# KiCad board edc-mux-board-fpga-main.kicad_pcb (continued)
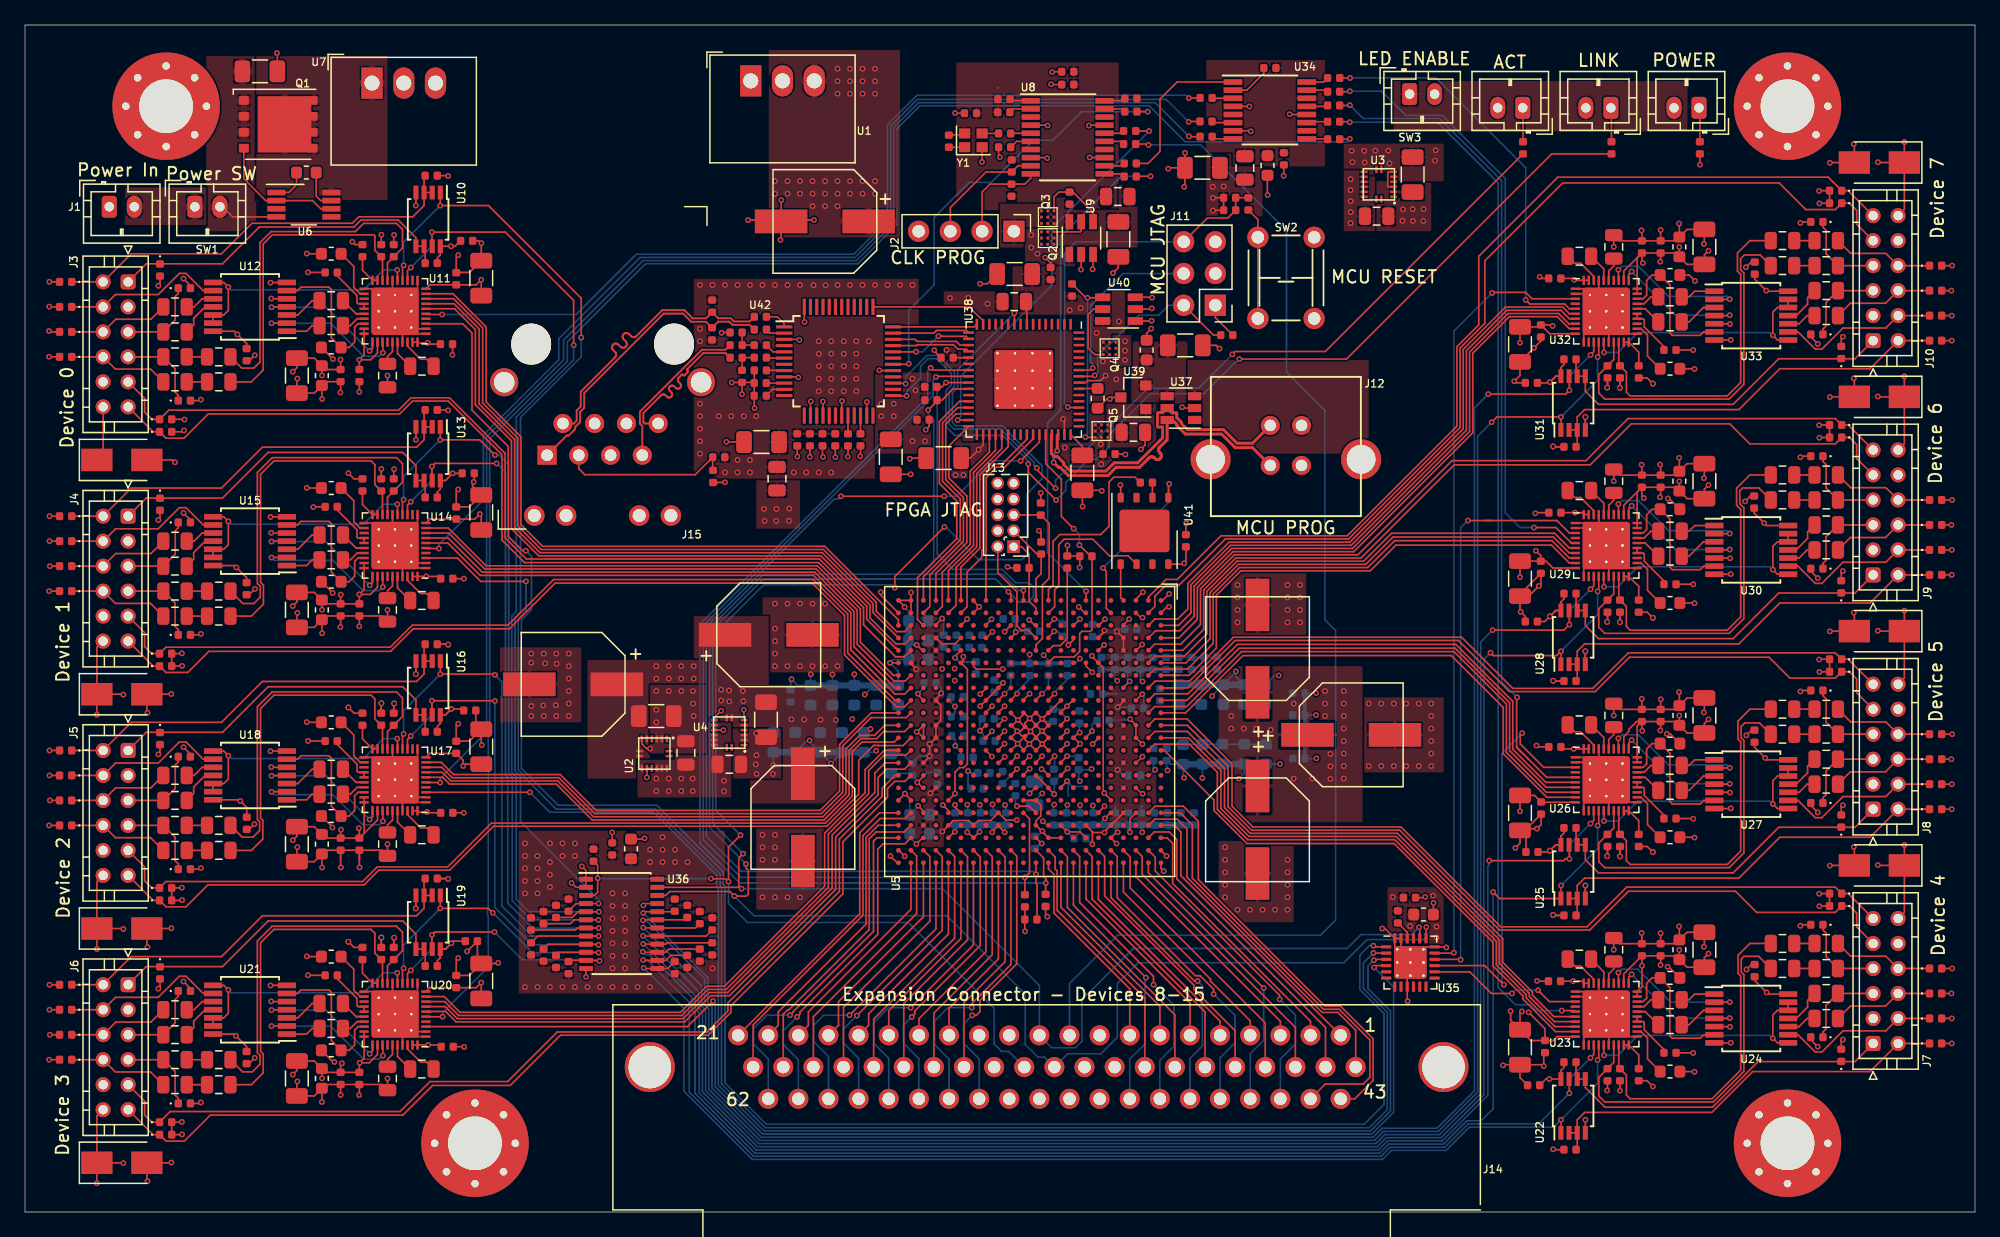
[diagram p0: board, top side]
## Footprints (pads in the part's own frame, mm; a bottom-side part is the same pattern mirrored in y, then rotated) (continued)
UJ2-BV-1-TH
  round 1.52 hole 0.92: 1(1.25,1.6) 2(-1.25,1.6) 3(-1.25,-1.6) 4(1.25,-1.6)
  round 3.2 hole 2.3: 5(-6.02,-1.11) 5(6.02,-1.11)
UQFN-40-1EP_5x5mm_P0.4mm_EP3.8x3.8mm_ThermalVias
  custom 0.484x0.484 smd: (-1.6,1.6) (-1.6,-1.6) (1.6,1.6) (1.6,-1.6)
  custom 0.484x1.048 smd: (-1.6,0.65) (-1.6,-0.65) (1.6,0.65) (1.6,-0.65)
  custom 1.048x0.484 smd: (-0.65,1.6) (-0.65,-1.6) (0.65,1.6) (0.65,-1.6)
  rrect 1.048x1.048 smd: (-0.65,0.65) (-0.65,-0.65) (0.65,0.65) (0.65,-0.65)
  rrect 0.75x0.2 smd: 1(-2.475,1.8) 2(-2.475,1.4) 3(-2.475,1) 4(-2.475,0.6) 5(-2.475,0.2) 6(-2.475,-0.2) 7(-2.475,-0.6) 8(-2.475,-1) 9(-2.475,-1.4) 10(-2.475,-1.8) 21(2.475,-1.8) 22(2.475,-1.4) 23(2.475,-1) 24(2.475,-0.6) 25(2.475,-0.2) 26(2.475,0.2) 27(2.475,0.6) 28(2.475,1) 29(2.475,1.4) 30(2.475,1.8)
  rrect 0.2x0.75 smd: 11(-1.8,-2.475) 12(-1.4,-2.475) 13(-1,-2.475) 14(-0.6,-2.475) 15(-0.2,-2.475) 16(0.2,-2.475) 17(0.6,-2.475) 18(1,-2.475) 19(1.4,-2.475) 20(1.8,-2.475) 31(1.8,2.475) 32(1.4,2.475) 33(1,2.475) 34(0.6,2.475) 35(0.2,2.475) 36(-0.2,2.475) 37(-0.6,2.475) 38(-1,2.475) 39(-1.4,2.475) 40(-1.8,2.475)
  round 0.5 hole 0.2: 41(-1.3,1.3) 41(-1.3,0) 41(-1.3,-1.3) 41(0,1.3) 41(0,0) 41(0,-1.3) 41(1.3,1.3) 41(1.3,0) 41(1.3,-1.3)
  rrect 3.1x3.1 smd far side: 41(0,0)
  rrect 3.8x3.8 smd: 41(0,0)
VSSOP-8_3.0x3.0mm_P0.65mm
  rect 1.45x0.45 smd: 1(-2.2,0.975) 2(-2.2,0.325) 3(-2.2,-0.325) 4(-2.2,-0.975) 5(2.2,-0.975) 6(2.2,-0.325) 7(2.2,0.325) 8(2.2,0.975)
WSON-8-1EP_6x5mm_P1.27mm_EP3.4x4mm
  rrect 1.37x1.61 smd: (-0.85,1) (-0.85,-1) (0.85,1) (0.85,-1)
  rrect 0.775x0.5 smd: 1(-2.663,1.905) 2(-2.663,0.635) 3(-2.663,-0.635) 4(-2.663,-1.905) 5(2.663,-1.905) 6(2.663,-0.635) 7(2.663,0.635) 8(2.663,1.905)
  rrect 3.4x4 smd: 9(0,0)

## Nets
+1V2: C6.1 C7.1 C8.1 C9.1 C12.1 C15.1 C18.1 C21.1 C24.1 C27.1 C30.1 C34.1 C37.1 C39.1 C42.1 C45.1 C48.1 C50.1 C53.1 C55.1 C57.1 C60.1 C62.1 C63.1 C65.1 C67.1 C69.1 C71.1 C73.1 C75.1 C77.1 C80.1 C82.1 C83.1 C85.1 C87.1 C89.1 C91.1 C93.1 C95.1 C96.1 C97.1 C98.1 C99.1 C100.1 C101.1 C102.1 C103.1 C104.1 C105.1 C106.1 C108.1 C109.1 C110.1 C111.1 C113.1 FB1.1 U4.5 U4.7 U4.8 U5.G12 U5.H9 U5.J10 U5.J11 U5.J12 U5.J13 U5.J14 U5.J16 U5.K9 U5.K14 U5.K15 U5.L9 U5.L14 U5.L16 U5.M9 U5.M14 U5.M15 U5.N9 U5.N14 U5.P9 U5.P10 U5.P11 U5.P12 U5.P13 U5.P14 U5.R8 U5.R10 U5.R12
+1V8: C5.1 C129.2 C131.2 C132.2 C135.2 C136.2 C149.2 C151.2 C152.2 C155.2 C156.2 C169.2 C171.2 C172.2 C175.2 C176.2 C189.2 C191.2 C192.2 C195.2 C196.2 C209.2 C211.2 C212.2 C215.2 C216.2 C229.2 C231.2 C232.2 C235.2 C236.2 C249.2 C251.2 C252.2 C255.2 C256.2 C269.2 C271.2 C272.2 C275.2 C276.2 U3.5 U3.7 U3.8 U11.29 U11.30 U11.32 U11.39 U11.40 U14.29 U14.30 U14.32 U14.39 U14.40 U17.29 U17.30 U17.32 U17.39 U17.40 U20.29 U20.30 U20.32 U20.39 U20.40 U23.29 U23.30 U23.32 U23.39 U23.40 U26.29 U26.30 U26.32 U26.39 U26.40 U29.29 U29.30 U29.32 U29.39 U29.40 U32.29 U32.30 U32.32 U32.39 U32.40
+2V5: C4.1 C10.1 C13.1 C16.1 C19.1 C22.1 C25.1 C28.1 C31.1 C33.1 C36.1 C40.1 C43.1 C46.1 C49.1 C51.1 C54.1 C56.1 C58.1 C59.1 C61.1 C64.1 C66.1 C68.1 C70.1 C72.1 C74.1 C76.1 C78.1 C79.1 C81.1 C84.1 C86.1 C88.1 C90.1 C92.1 C94.1 J13.9 R71.2 R72.2 U2.5 U2.7 U2.8 U5.F18 U5.G6 U5.T6 U5.U18
+3V3: C1.1 C2.1 C3.1 C11.1 C14.1 C17.1 C20.1 C23.1 C26.1 C29.1 C32.1 C35.1 C38.1 C41.1 C44.1 C47.1 C52.1 C133.2 C134.1 C137.2 C153.2 C154.1 C157.2 C173.2 C174.1 C177.2 C193.2 C194.1 C197.2 C213.2 C214.1 C217.2 C233.2 C234.1 C237.2 C253.2 C254.1 C257.2 C273.2 C274.1 C277.2 C278.1 C281.1 C282.2 C283.1 C284.2 C293.2 C296.2 C305.2 C306.2 FB43.2 FB45.2 J11.1 J13.8 Q2.C1 Q2.C2 Q2.C3 Q4.C1 Q4.C2 Q4.C3 R32.2 R41.2 R42.2 R43.2 R44.2 R45.2 R46.2 R47.2 R48.2 R49.2 R50.2 R51.2 R52.2 R53.2 R54.2 R55.2 R56.2 R57.2 R58.2 R59.2 R60.2 R61.2 R65.2 R66.2 R68.2 R69.2 R70.2 SW3.2 U1.3 U2.9 U2.12 U2.13 U2.14 U3.9 U3.10 U3.11 U3.12 U3.13 U3.14 U4.10 U4.12 U4.13 U4.14 U5.A2 U5.A21 U5.AA6 U5.AB2 U5.AB21 U5.D4 U5.D5 U5.D9 U5.D11 U5.D12 U5.D14 U5.D16 U5.D18 U5.E8 U5.E19 U5.F4 U5.G19 U5.H4 U5.J20 U5.K4 U5.K20 U5.L17 U5.L19 U5.M17 U5.N4 U5.P18 U5.R4 U5.T19 U5.U4 U5.V19 U5.W4 U5.W5 U5.W9 U5.W11 U5.W12 U5.W16 U5.W18 U5.Y14 U5.Y19 U9.1 U11.10 U12.14 U14.10 U15.14 U17.10 U18.14 U20.10 U21.14 U23.10 U24.14 U26.10 U27.14 U29.10 U30.14 U32.10 U33.14 U35.21 U36.24 U40.1 U41.8 U42.28
+12V: C119.1 C139.1 C159.1 C179.1 C199.1 C219.1 C239.1 C259.1 D5.1 D15.1 D25.1 D35.1 D45.1 D55.1 D65.1 D75.1 J3.12 J4.12 J5.12 J6.12 J7.12 J8.12 J9.12 J10.12 J14.9 J14.12 J14.13 J14.30 J14.31 J14.34 R15.1 R16.1 R17.1 R18.1 R19.1 R20.1 R21.1 R22.1 R23.1 R24.1 R25.1 R26.1 R27.1 R28.1 R29.1 R30.1 U1.1 U7.3 U10.8 U13.8 U16.8 U19.8 U22.8 U25.8 U28.8 U31.8
/Clocking/3V3_PROT: C116.1 FB2.1 Q2.A2 Q2.A3 Q2.B1 Q2.B2 Q2.B3 Q3.A2 Q3.A3 Q3.B1 Q3.B2 Q3.B3 R8.2 U9.6
/Clocking/+3V3C: C114.2 C115.2 C117.2 FB2.2 R1.1 R4.2 R5.1 R6.1 R7.1 U8.3 U8.7 U8.14 U8.18 Y1.4
/Clocking/+3V3EXT: J2.1 Q3.C1 Q3.C2 Q3.C3
/CODEC interconnection sheet/Interface - Connector 0/GND_SENSE: FB7.1 U11.28 U12.6
/CODEC interconnection sheet/Interface - Connector 1/GND_SENSE: FB12.1 U14.28 U15.6
/CODEC interconnection sheet/Interface - Connector 2/GND_SENSE: FB17.1 U17.28 U18.6
/CODEC interconnection sheet/Interface - Connector 3/GND_SENSE: FB22.1 U20.28 U21.6
/CODEC interconnection sheet/Interface - Connector 4/GND_SENSE: FB27.1 U23.28 U24.6
/CODEC interconnection sheet/Interface - Connector 5/GND_SENSE: FB32.1 U26.28 U27.6
/CODEC interconnection sheet/Interface - Connector 6/GND_SENSE: FB37.1 U29.28 U30.6
/CODEC interconnection sheet/Interface - Connector 7/GND_SENSE: FB42.1 U32.28 U33.6
/Ethernet Connections/+3V3A: C297.2 C298.2 C299.2 C300.2 C301.2 C302.2 C303.2 FB45.1 R79.2 R81.2 R82.2 U42.4 U42.8 U42.11 U42.15 U42.17 U42.21
/Microprocessor and Support/+3V3USB: C295.2 Q5.C1 Q5.C2 Q5.C3 U39.1
/Microprocessor and Support/+5Vin: J12.1 U37.1 U37.3
/Microprocessor and Support/+5VUSB: C287.2 C288.2 U37.4 U39.2
/Power Supplies/VCCDPLL: FB1.2 U5.E17 U5.F6 U5.U6 U5.V17
GND: C1.2 C2.2 C3.2 C4.2 C5.2 C6.2 C7.2 C8.2 C9.2 C10.2 C11.2 C12.2 C13.2 C14.2 C15.2 C16.2 C17.2 C18.2 C19.2 C20.2 C21.2 C22.2 C23.2 C24.2 C25.2 C26.2 C27.2 C28.2 C29.2 C30.2 C31.2 C32.2 C33.2 C34.2 C35.2 C36.2 C37.2 C38.2 C39.2 C40.2 C41.2 C42.2 C43.2 C44.2 C45.2 C46.2 C47.2 C48.2 C49.2 C50.2 C51.2 C52.2 C53.2 C54.2 C55.2 C56.2 C57.2 C58.2 C59.2 C60.2 C61.2 C62.2 C63.2 C64.2 C65.2 C66.2 C67.2 C68.2 C69.2 C70.2 C71.2 C72.2 C73.2 C74.2 C75.2 C76.2 C77.2 C78.2 C79.2 C80.2 C81.2 C82.2 C83.2 C84.2 C85.2 C86.2 C87.2 C88.2 C89.2 C90.2 C91.2 C92.2 C93.2 C94.2 C95.2 C96.2 C97.2 C98.2 C99.2 C100.2 C101.2 C102.2 C103.2 C104.2 C105.2 C106.2 C107.2 C108.2 C109.2 C110.2 C111.2 C113.2 C114.1 C115.1 C116.2 C117.1 C118.1 C119.2 C120.1 C122.1 C123.1 C124.1 C126.1 C129.1 C131.1 C132.1 C133.1 C134.2 C135.1 C136.1 C137.1 C138.1 C139.2 C140.1 C142.1 C143.1 C144.1 C146.1 C149.1 C151.1 C152.1 C153.1 C154.2 C155.1 C156.1 C157.1 C158.1 C159.2 C160.1 C162.1 C163.1 C164.1 C166.1 C169.1 C171.1 C172.1 C173.1 C174.2 C175.1 C176.1 C177.1 C178.1 C179.2 C180.1 C182.1 C183.1 C184.1 C186.1 C189.1 C191.1 C192.1 C193.1 C194.2 C195.1 C196.1 C197.1 C198.1 C199.2 C200.1 C202.1 C203.1 C204.1 C206.1 C209.1 C211.1 C212.1 C213.1 C214.2 C215.1 C216.1 C217.1 C218.1 C219.2 C220.1 C222.1 C223.1 C224.1 C226.1 C229.1 C231.1 C232.1 C233.1 C234.2 C235.1 C236.1 C237.1 C238.1 C239.2 C240.1 C242.1 C243.1 C244.1 C246.1 C249.1 C251.1 C252.1 C253.1 C254.2 C255.1 C256.1 C257.1 C258.1 C259.2 C260.1 C262.1 C263.1 C264.1 C266.1 C269.1 C271.1 C272.1 C273.1 C274.2 C275.1 C276.1 C277.1 C278.2 C279.1 C280.2 C281.2 C282.1 C283.2 C284.1 C285.1 C286.1 C287.1 C288.1 C289.2 C290.2 C291.2 C292.2 C294.2 C295.1 C296.1 C297.1 C298.1 C299.1 C300.1 C301.1 C302.1 C303.1 C304.2 C305.1 C306.1 C307.2 C310.2 D1.2 D2.2 D3.2 D4.2 D5.2 D6.2 D7.2 D8.2 D9.2 D10.2 D11.2 D12.2 D13.2 D14.2 D15.2 D16.2 D17.2 D18.2 D19.2 D20.2 D21.2 D22.2 D23.2 D24.2 D25.2 D26.2 D27.2 D28.2 D29.2 D30.2 D31.2 D32.2 D33.2 D34.2 D35.2 D36.2 D37.2 D38.2 D39.2 D40.2 D41.2 D42.2 D43.2 D44.2 D45.2 D46.2 D47.2 D48.2 D49.2 D50.2 D51.2 D52.2 D53.2 D54.2 D55.2 D56.2 D57.2 D58.2 D59.2 D60.2 D61.2 D62.2 D63.2 D64.2 D65.2 D66.2 D67.2 D68.2 D69.2 D70.2 D71.2 D72.2 D73.2 D74.2 D75.2 D76.2 D77.2 D78.2 D79.2 D80.2 FB7.2 FB12.2 FB17.2 FB22.2 FB27.2 FB32.2 FB37.2 FB42.2 H1.1 H2.1 H3.1 H4.1 J1.1 J2.4 J3.3 J3.10 J4.3 J4.10 J5.3 J5.10 J6.3 J6.10 J7.3 J7.10 J8.3 J8.10 J9.3 J9.10 J10.3 J10.10 J11.3 J11.5 J12.4 J12.5 J13.6 J13.10 J14.51 J14.52 J14.53 J14.54 J14.SLD J15.4 J15.5 J15.6 J15.13 J15.14 R3.2 R67.1 R73.1 R78.1 R80.1 R85.2 SW2.1 U1.2 U2.2 U2.3 U2.6 U2.10 U2.11 U3.2 U3.3 U3.6 U4.2 U4.3 U4.6 U4.9 U4.11 U5.A1 U5.A22 U5.AA1 U5.AA2 U5.AA17 U5.AB1 U5.AB6 U5.AB17 U5.AB22 U5.C1 U5.C2 U5.C5 U5.C9 U5.C11 U5.C12 U5.C14 U5.C16 U5.C18 U5.D3 U5.D8 U5.E18 U5.E20 U5.F3 U5.F5 U5.F12 U5.G2 U5.G20 U5.H3 U5.H12 U5.H13 U5.J9 U5.J15 U5.J19 U5.K3 U5.K10 U5.K11 U5.K12 U5.K13 U5.K16 U5.L3 U5.L10 U5.L11 U5.L12 U5.L13 U5.L15 U5.L18 U5.L20 U5.M10 U5.M11 U5.M12 U5.M13 U5.N3 U5.N10 U5.N11 U5.N12 U5.N13 U5.N15 U5.P8 U5.P19 U5.R3 U5.R9 U5.R11 U5.R13 U5.T1 U5.T2 U5.T20 U5.U3 U5.U5 U5.V18 U5.V20 U5.W3 U5.Y5 U5.Y9 U5.Y11 U5.Y12 U5.Y15 U5.Y16 U5.Y18 U5.Y20 U7.2 U8.4 U8.8 U8.13 U8.17 U9.2 U9.3 U10.4 U11.1 U11.2 U11.11 U11.16 U11.21 U11.37 U11.41 U12.5 U12.7 U13.4 U14.1 U14.2 U14.11 U14.16 U14.21 U14.37 U14.41 U15.5 U15.7 U16.4 U17.1 U17.2 U17.11 U17.16 U17.21 U17.37 U17.41 U18.5 U18.7 U19.4 U20.1 U20.2 U20.11 U20.16 U20.21 U20.37 U20.41 U21.5 U21.7 U22.4 U23.1 U23.2 U23.11 U23.16 U23.21 U23.37 U23.41 U24.5 U24.7 U25.4 U26.1 U26.2 U26.11 U26.16 U26.21 U26.37 U26.41 U27.5 U27.7 U28.4 U29.1 U29.2 U29.11 U29.16 U29.21 U29.37 U29.41 U30.5 U30.7 U31.4 U32.1 U32.2 U32.11 U32.16 U32.21 U32.37 U32.41 U33.5 U33.7 U34.4 U34.7 U34.12 U35.9 U35.18 U35.23 U35.24 U35.25 U36.1 U36.2 U36.12 U36.21 U37.2 U38.7 U38.22 U38.33 U38.47 U38.54 U38.65 U39.3 U40.2 U40.3 U41.4 U42.3 U42.9 U42.14 U42.16 U42.19 U42.23 U42.29 U42.48 Y1.2
/ATTACH_INT: U5.R1 U38.42
/Bottom Side Connector Interconnects/BCLK8: J14.15 U5.R22
/Bottom Side Connector Interconnects/BCLK9: J14.17 U5.V22
/Bottom Side Connector Interconnects/BCLK10: J14.19 U5.AA22
/Bottom Side Connector Interconnects/BCLK11: J14.21 U5.AB18
/Bottom Side Connector Interconnects/BCLK12: J14.2 U5.A20
/Bottom Side Connector Interconnects/BCLK13: J14.4 U5.D22
/Bottom Side Connector Interconnects/BCLK14: J14.6 U5.G22
/Bottom Side Connector Interconnects/BCLK15: J14.8 U5.K22
/Bottom Side Connector Interconnects/DIN8: J14.14 U5.P22
/Bottom Side Connector Interconnects/DIN9: J14.16 U5.U22
/Bottom Side Connector Interconnects/DIN10: J14.18 U5.Y22
/Bottom Side Connector Interconnects/DIN11: J14.20 U5.AB19
/Bottom Side Connector Interconnects/DIN12: J14.1 U5.A19
/Bottom Side Connector Interconnects/DIN13: J14.3 U5.C22
/Bottom Side Connector Interconnects/DIN14: J14.5 U5.F22
/Bottom Side Connector Interconnects/DIN15: J14.7 U5.J22
/Bottom Side Connector Interconnects/DOUT8: J14.35 U5.P21
/Bottom Side Connector Interconnects/DOUT9: J14.37 U5.U21
/Bottom Side Connector Interconnects/DOUT10: J14.39 U5.Y21
/Bottom Side Connector Interconnects/DOUT11: J14.41 U5.AA19
/Bottom Side Connector Interconnects/DOUT12: J14.22 U5.B19
/Bottom Side Connector Interconnects/DOUT13: J14.24 U5.C21
/Bottom Side Connector Interconnects/DOUT14: J14.26 U5.F21
/Bottom Side Connector Interconnects/DOUT15: J14.28 U5.J21
/Bottom Side Connector Interconnects/WCLK8: J14.36 U5.R21
/Bottom Side Connector Interconnects/WCLK9: J14.38 U5.V21
/Bottom Side Connector Interconnects/WCLK10: J14.40 U5.AA21
/Bottom Side Connector Interconnects/WCLK11: J14.42 U5.AA18
/Bottom Side Connector Interconnects/WCLK12: J14.23 U5.B20
/Bottom Side Connector Interconnects/WCLK13: J14.25 U5.D21
/Bottom Side Connector Interconnects/WCLK14: J14.27 U5.G21
/Bottom Side Connector Interconnects/WCLK15: J14.29 U5.K21
/Bottom Side Connector Interconnects/~{RESET}I2C: J14.33 R41.1 U36.3 U38.10
/Clocking/CLK_IN0: R2.1 U8.5
/Clocking/S0: R4.1 U8.1
/Clocking/S1: R5.2 U8.2
/Clocking/SCL: J2.2 R7.2 U8.10
/Clocking/SDA: J2.3 R6.2 U8.9
/CODEC interconnection sheet/BCLK0: U5.AA4 U11.6
/CODEC interconnection sheet/BCLK1: U5.AA8 U14.6
/CODEC interconnection sheet/BCLK2: U5.AA11 U17.6
/CODEC interconnection sheet/BCLK3: U5.AA14 U20.6
/CODEC interconnection sheet/BCLK4: U5.B12 U23.6
/CODEC interconnection sheet/BCLK5: U5.B9 U26.6
/CODEC interconnection sheet/BCLK6: U5.B6 U29.6
/CODEC interconnection sheet/BCLK7: U5.B3 U32.6
/CODEC interconnection sheet/Clock and I2C distribution/CLK_DISTRO_3V3_1: C279.2 C280.1 FB43.1 R31.2 U34.5 U34.10 U34.14
/CODEC interconnection sheet/DIN0: U5.AA3 U11.8
/CODEC interconnection sheet/DIN1: U5.AA7 U14.8
/CODEC interconnection sheet/DIN2: U5.AA10 U17.8
/CODEC interconnection sheet/DIN3: U5.AA13 U20.8
/CODEC interconnection sheet/DIN4: U5.B13 U23.8
/CODEC interconnection sheet/DIN5: U5.B10 U26.8
/CODEC interconnection sheet/DIN6: U5.B7 U29.8
/CODEC interconnection sheet/DIN7: U5.B4 U32.8
/CODEC interconnection sheet/DOUT0: U5.AB3 U11.9
/CODEC interconnection sheet/DOUT1: U5.AB7 U14.9
/CODEC interconnection sheet/DOUT2: U5.AB10 U17.9
/CODEC interconnection sheet/DOUT3: U5.AB13 U20.9
/CODEC interconnection sheet/DOUT4: U5.A13 U23.9
/CODEC interconnection sheet/DOUT5: U5.A10 U26.9
/CODEC interconnection sheet/DOUT6: U5.A7 U29.9
/CODEC interconnection sheet/DOUT7: U5.A4 U32.9
/CODEC interconnection sheet/Interface - Connector 0/AUD_GND: D1.1 J3.4 U12.9
/CODEC interconnection sheet/Interface - Connector 0/HP_~{LINE}_SEL: U11.15 U12.8 U12.12 U12.13
/CODEC interconnection sheet/Interface - Connector 0/HPL: U11.31 U12.4
/CODEC interconnection sheet/Interface - Connector 0/HPR: U11.33 U12.2
/CODEC interconnection sheet/Interface - Connector 0/L_IN: C118.2 C130.1 U11.17
/CODEC interconnection sheet/Interface - Connector 0/L_OUT: FB3.2 U12.10
/CODEC interconnection sheet/Interface - Connector 0/LINE_OUT_L: C127.1 U12.3
/CODEC interconnection sheet/Interface - Connector 0/LINE_OUT_R: C128.1 U12.1
/CODEC interconnection sheet/Interface - Connector 0/R_IN: C120.2 C121.2 U11.18
/CODEC interconnection sheet/Interface - Connector 0/R_OUT: FB6.1 U12.11
/CODEC interconnection sheet/Interface - Connector 0/REF: C124.2 U11.22
/CODEC interconnection sheet/Interface - Connector 0/SCL_HV: D10.1 J3.1 R15.2 U10.5 U10.6
/CODEC interconnection sheet/Interface - Connector 0/SDA_HV: D4.1 J3.2 R16.2 U10.2 U10.3
/CODEC interconnection sheet/Interface - Connector 0/VNEG: C126.2 U11.35
/CODEC interconnection sheet/Interface - Connector 1/AUD_GND: D11.1 J4.4 U15.9
/CODEC interconnection sheet/Interface - Connector 1/HP_~{LINE}_SEL: U14.15 U15.8 U15.12 U15.13
/CODEC interconnection sheet/Interface - Connector 1/HPL: U14.31 U15.4
/CODEC interconnection sheet/Interface - Connector 1/HPR: U14.33 U15.2
/CODEC interconnection sheet/Interface - Connector 1/L_IN: C138.2 C150.1 U14.17
/CODEC interconnection sheet/Interface - Connector 1/L_OUT: FB8.2 U15.10
/CODEC interconnection sheet/Interface - Connector 1/LINE_OUT_L: C147.1 U15.3
/CODEC interconnection sheet/Interface - Connector 1/LINE_OUT_R: C148.1 U15.1
/CODEC interconnection sheet/Interface - Connector 1/R_IN: C140.2 C141.2 U14.18
/CODEC interconnection sheet/Interface - Connector 1/R_OUT: FB11.1 U15.11
/CODEC interconnection sheet/Interface - Connector 1/REF: C144.2 U14.22
/CODEC interconnection sheet/Interface - Connector 1/SCL_HV: D20.1 J4.1 R17.2 U13.5 U13.6
/CODEC interconnection sheet/Interface - Connector 1/SDA_HV: D14.1 J4.2 R18.2 U13.2 U13.3
/CODEC interconnection sheet/Interface - Connector 1/VNEG: C146.2 U14.35
/CODEC interconnection sheet/Interface - Connector 2/AUD_GND: D21.1 J5.4 U18.9
/CODEC interconnection sheet/Interface - Connector 2/HP_~{LINE}_SEL: U17.15 U18.8 U18.12 U18.13
/CODEC interconnection sheet/Interface - Connector 2/HPL: U17.31 U18.4
/CODEC interconnection sheet/Interface - Connector 2/HPR: U17.33 U18.2
/CODEC interconnection sheet/Interface - Connector 2/L_IN: C158.2 C170.1 U17.17
/CODEC interconnection sheet/Interface - Connector 2/L_OUT: FB13.2 U18.10
/CODEC interconnection sheet/Interface - Connector 2/LINE_OUT_L: C167.1 U18.3
/CODEC interconnection sheet/Interface - Connector 2/LINE_OUT_R: C168.1 U18.1
/CODEC interconnection sheet/Interface - Connector 2/R_IN: C160.2 C161.2 U17.18
/CODEC interconnection sheet/Interface - Connector 2/R_OUT: FB16.1 U18.11
/CODEC interconnection sheet/Interface - Connector 2/REF: C164.2 U17.22
/CODEC interconnection sheet/Interface - Connector 2/SCL_HV: D30.1 J5.1 R19.2 U16.5 U16.6
/CODEC interconnection sheet/Interface - Connector 2/SDA_HV: D24.1 J5.2 R20.2 U16.2 U16.3
/CODEC interconnection sheet/Interface - Connector 2/VNEG: C166.2 U17.35
/CODEC interconnection sheet/Interface - Connector 3/AUD_GND: D31.1 J6.4 U21.9
/CODEC interconnection sheet/Interface - Connector 3/HP_~{LINE}_SEL: U20.15 U21.8 U21.12 U21.13
/CODEC interconnection sheet/Interface - Connector 3/HPL: U20.31 U21.4
/CODEC interconnection sheet/Interface - Connector 3/HPR: U20.33 U21.2
/CODEC interconnection sheet/Interface - Connector 3/L_IN: C178.2 C190.1 U20.17
/CODEC interconnection sheet/Interface - Connector 3/L_OUT: FB18.2 U21.10
/CODEC interconnection sheet/Interface - Connector 3/LINE_OUT_L: C187.1 U21.3
/CODEC interconnection sheet/Interface - Connector 3/LINE_OUT_R: C188.1 U21.1
/CODEC interconnection sheet/Interface - Connector 3/R_IN: C180.2 C181.2 U20.18
/CODEC interconnection sheet/Interface - Connector 3/R_OUT: FB21.1 U21.11
/CODEC interconnection sheet/Interface - Connector 3/REF: C184.2 U20.22
/CODEC interconnection sheet/Interface - Connector 3/SCL_HV: D40.1 J6.1 R21.2 U19.5 U19.6
/CODEC interconnection sheet/Interface - Connector 3/SDA_HV: D34.1 J6.2 R22.2 U19.2 U19.3
/CODEC interconnection sheet/Interface - Connector 3/VNEG: C186.2 U20.35
/CODEC interconnection sheet/Interface - Connector 4/AUD_GND: D41.1 J7.4 U24.9
/CODEC interconnection sheet/Interface - Connector 4/HP_~{LINE}_SEL: U23.15 U24.8 U24.12 U24.13
/CODEC interconnection sheet/Interface - Connector 4/HPL: U23.31 U24.4
/CODEC interconnection sheet/Interface - Connector 4/HPR: U23.33 U24.2
/CODEC interconnection sheet/Interface - Connector 4/L_IN: C198.2 C210.1 U23.17
/CODEC interconnection sheet/Interface - Connector 4/L_OUT: FB23.2 U24.10
/CODEC interconnection sheet/Interface - Connector 4/LINE_OUT_L: C207.1 U24.3
/CODEC interconnection sheet/Interface - Connector 4/LINE_OUT_R: C208.1 U24.1
/CODEC interconnection sheet/Interface - Connector 4/R_IN: C200.2 C201.2 U23.18
/CODEC interconnection sheet/Interface - Connector 4/R_OUT: FB26.1 U24.11
/CODEC interconnection sheet/Interface - Connector 4/REF: C204.2 U23.22
/CODEC interconnection sheet/Interface - Connector 4/SCL_HV: D50.1 J7.1 R23.2 U22.5 U22.6
/CODEC interconnection sheet/Interface - Connector 4/SDA_HV: D44.1 J7.2 R24.2 U22.2 U22.3
/CODEC interconnection sheet/Interface - Connector 4/VNEG: C206.2 U23.35
/CODEC interconnection sheet/Interface - Connector 5/AUD_GND: D51.1 J8.4 U27.9
/CODEC interconnection sheet/Interface - Connector 5/HP_~{LINE}_SEL: U26.15 U27.8 U27.12 U27.13
/CODEC interconnection sheet/Interface - Connector 5/HPL: U26.31 U27.4
/CODEC interconnection sheet/Interface - Connector 5/HPR: U26.33 U27.2
/CODEC interconnection sheet/Interface - Connector 5/L_IN: C218.2 C230.1 U26.17
/CODEC interconnection sheet/Interface - Connector 5/L_OUT: FB28.2 U27.10
/CODEC interconnection sheet/Interface - Connector 5/LINE_OUT_L: C227.1 U27.3
/CODEC interconnection sheet/Interface - Connector 5/LINE_OUT_R: C228.1 U27.1
/CODEC interconnection sheet/Interface - Connector 5/R_IN: C220.2 C221.2 U26.18
/CODEC interconnection sheet/Interface - Connector 5/R_OUT: FB31.1 U27.11
/CODEC interconnection sheet/Interface - Connector 5/REF: C224.2 U26.22
/CODEC interconnection sheet/Interface - Connector 5/SCL_HV: D60.1 J8.1 R25.2 U25.5 U25.6
/CODEC interconnection sheet/Interface - Connector 5/SDA_HV: D54.1 J8.2 R26.2 U25.2 U25.3
/CODEC interconnection sheet/Interface - Connector 5/VNEG: C226.2 U26.35
/CODEC interconnection sheet/Interface - Connector 6/AUD_GND: D61.1 J9.4 U30.9
/CODEC interconnection sheet/Interface - Connector 6/HP_~{LINE}_SEL: U29.15 U30.8 U30.12 U30.13
/CODEC interconnection sheet/Interface - Connector 6/HPL: U29.31 U30.4
/CODEC interconnection sheet/Interface - Connector 6/HPR: U29.33 U30.2
/CODEC interconnection sheet/Interface - Connector 6/L_IN: C238.2 C250.1 U29.17
/CODEC interconnection sheet/Interface - Connector 6/L_OUT: FB33.2 U30.10
/CODEC interconnection sheet/Interface - Connector 6/LINE_OUT_L: C247.1 U30.3
/CODEC interconnection sheet/Interface - Connector 6/LINE_OUT_R: C248.1 U30.1
/CODEC interconnection sheet/Interface - Connector 6/R_IN: C240.2 C241.2 U29.18
/CODEC interconnection sheet/Interface - Connector 6/R_OUT: FB36.1 U30.11
/CODEC interconnection sheet/Interface - Connector 6/REF: C244.2 U29.22
/CODEC interconnection sheet/Interface - Connector 6/SCL_HV: D70.1 J9.1 R27.2 U28.5 U28.6
/CODEC interconnection sheet/Interface - Connector 6/SDA_HV: D64.1 J9.2 R28.2 U28.2 U28.3
/CODEC interconnection sheet/Interface - Connector 6/VNEG: C246.2 U29.35
/CODEC interconnection sheet/Interface - Connector 7/AUD_GND: D71.1 J10.4 U33.9
/CODEC interconnection sheet/Interface - Connector 7/HP_~{LINE}_SEL: U32.15 U33.8 U33.12 U33.13
/CODEC interconnection sheet/Interface - Connector 7/HPL: U32.31 U33.4
/CODEC interconnection sheet/Interface - Connector 7/HPR: U32.33 U33.2
/CODEC interconnection sheet/Interface - Connector 7/L_IN: C258.2 C270.1 U32.17
/CODEC interconnection sheet/Interface - Connector 7/L_OUT: FB38.2 U33.10
/CODEC interconnection sheet/Interface - Connector 7/LINE_OUT_L: C267.1 U33.3
/CODEC interconnection sheet/Interface - Connector 7/LINE_OUT_R: C268.1 U33.1
/CODEC interconnection sheet/Interface - Connector 7/R_IN: C260.2 C261.2 U32.18
/CODEC interconnection sheet/Interface - Connector 7/R_OUT: FB41.1 U33.11
/CODEC interconnection sheet/Interface - Connector 7/REF: C264.2 U32.22
/CODEC interconnection sheet/Interface - Connector 7/SCL_HV: D80.1 J10.1 R29.2 U31.5 U31.6
/CODEC interconnection sheet/Interface - Connector 7/SDA_HV: D74.1 J10.2 R30.2 U31.2 U31.3
/CODEC interconnection sheet/Interface - Connector 7/VNEG: C266.2 U32.35
/CODEC interconnection sheet/MCLK0: R33.1 U11.5
/CODEC interconnection sheet/MCLK1: R37.1 U14.5
/CODEC interconnection sheet/MCLK2: R39.1 U17.5
/CODEC interconnection sheet/MCLK3: R40.1 U20.5
/CODEC interconnection sheet/MCLK4: R38.1 U23.5
/CODEC interconnection sheet/MCLK5: R35.1 U26.5
/CODEC interconnection sheet/MCLK6: R36.1 U29.5
/CODEC interconnection sheet/MCLK7: R34.1 U32.5
/CODEC interconnection sheet/SCL0: R43.1 U10.7 U11.13 U36.5
/CODEC interconnection sheet/SCL1: R45.1 U13.7 U14.13 U36.7
/CODEC interconnection sheet/SCL2: R47.1 U16.7 U17.13 U36.9
/CODEC interconnection sheet/SCL3: R49.1 U19.7 U20.13 U36.11
/CODEC interconnection sheet/SCL4: R51.1 U22.7 U23.13 U36.14
/CODEC interconnection sheet/SCL5: R53.1 U25.7 U26.13 U36.16
/CODEC interconnection sheet/SCL6: R55.1 U28.7 U29.13 U36.18
/CODEC interconnection sheet/SCL7: R57.1 U31.7 U32.13 U36.20
/CODEC interconnection sheet/SDA0: R42.1 U10.1 U11.14 U36.4
/CODEC interconnection sheet/SDA1: R44.1 U13.1 U14.14 U36.6
/CODEC interconnection sheet/SDA2: R46.1 U16.1 U17.14 U36.8
/CODEC interconnection sheet/SDA3: R48.1 U19.1 U20.14 U36.10
/CODEC interconnection sheet/SDA4: R50.1 U22.1 U23.14 U36.13
/CODEC interconnection sheet/SDA5: R52.1 U25.1 U26.14 U36.15
/CODEC interconnection sheet/SDA6: R54.1 U28.1 U29.14 U36.17
/CODEC interconnection sheet/SDA7: R56.1 U31.1 U32.14 U36.19
/CODEC interconnection sheet/WCLK0: U5.AB4 U11.7
/CODEC interconnection sheet/WCLK1: U5.AB8 U14.7
/CODEC interconnection sheet/WCLK2: U5.AB11 U17.7
/CODEC interconnection sheet/WCLK3: U5.AB14 U20.7
/CODEC interconnection sheet/WCLK4: U5.A12 U23.7
/CODEC interconnection sheet/WCLK5: U5.A9 U26.7
/CODEC interconnection sheet/WCLK6: U5.A6 U29.7
/CODEC interconnection sheet/WCLK7: U5.A3 U32.7
/CODEC interconnection sheet/~{RESET}0: U11.3 U35.1
/CODEC interconnection sheet/~{RESET}1: U14.3 U35.2
/CODEC interconnection sheet/~{RESET}2: U17.3 U35.3
/CODEC interconnection sheet/~{RESET}3: U20.3 U35.4
/CODEC interconnection sheet/~{RESET}4: U23.3 U35.14
/CODEC interconnection sheet/~{RESET}5: U26.3 U35.15
/CODEC interconnection sheet/~{RESET}6: U29.3 U35.16
/CODEC interconnection sheet/~{RESET}7: U32.3 U35.17
/CONF_DONE: R68.1 U5.M18 U38.24
/CRC_ERROR: R69.1 U5.L21 U38.23
/Ethernet Connections/ACTLED: R84.2 U42.27
/Ethernet Connections/LED_PWR: D81.2 D82.2 D83.2 SW3.1
/Ethernet Connections/LINKLED: R83.2 U42.25
/Ethernet Connections/MISO: U38.19 U42.34
/Ethernet Connections/MOSI: U38.17 U42.35
/Ethernet Connections/RD+: C308.1 J15.7
/Ethernet Connections/RD-: C309.1 J15.8
/Ethernet Connections/TCT: C310.1 J15.3 R82.1
/Ethernet Connections/TD+: J15.1 R75.1 R81.1
/Ethernet Connections/TD-: J15.2 R74.1 R79.1
/Ethernet Connections/~{INT}: U38.16 U42.36
/Ethernet Connections/~{RESET}_ETH: U38.15 U42.37
/Ethernet Connections/~{SS}: U38.18 U42.32
/FPGA Interconnects/DEV_ATT0: D6.1 J3.11 U5.AA5
/FPGA Interconnects/DEV_ATT1: D16.1 J4.11 U5.AA9
/FPGA Interconnects/DEV_ATT2: D26.1 J5.11 U5.AA12
/FPGA Interconnects/DEV_ATT3: D36.1 J6.11 U5.AA15